# KiCad board aquarius-plus.kicad_pcb (continued)
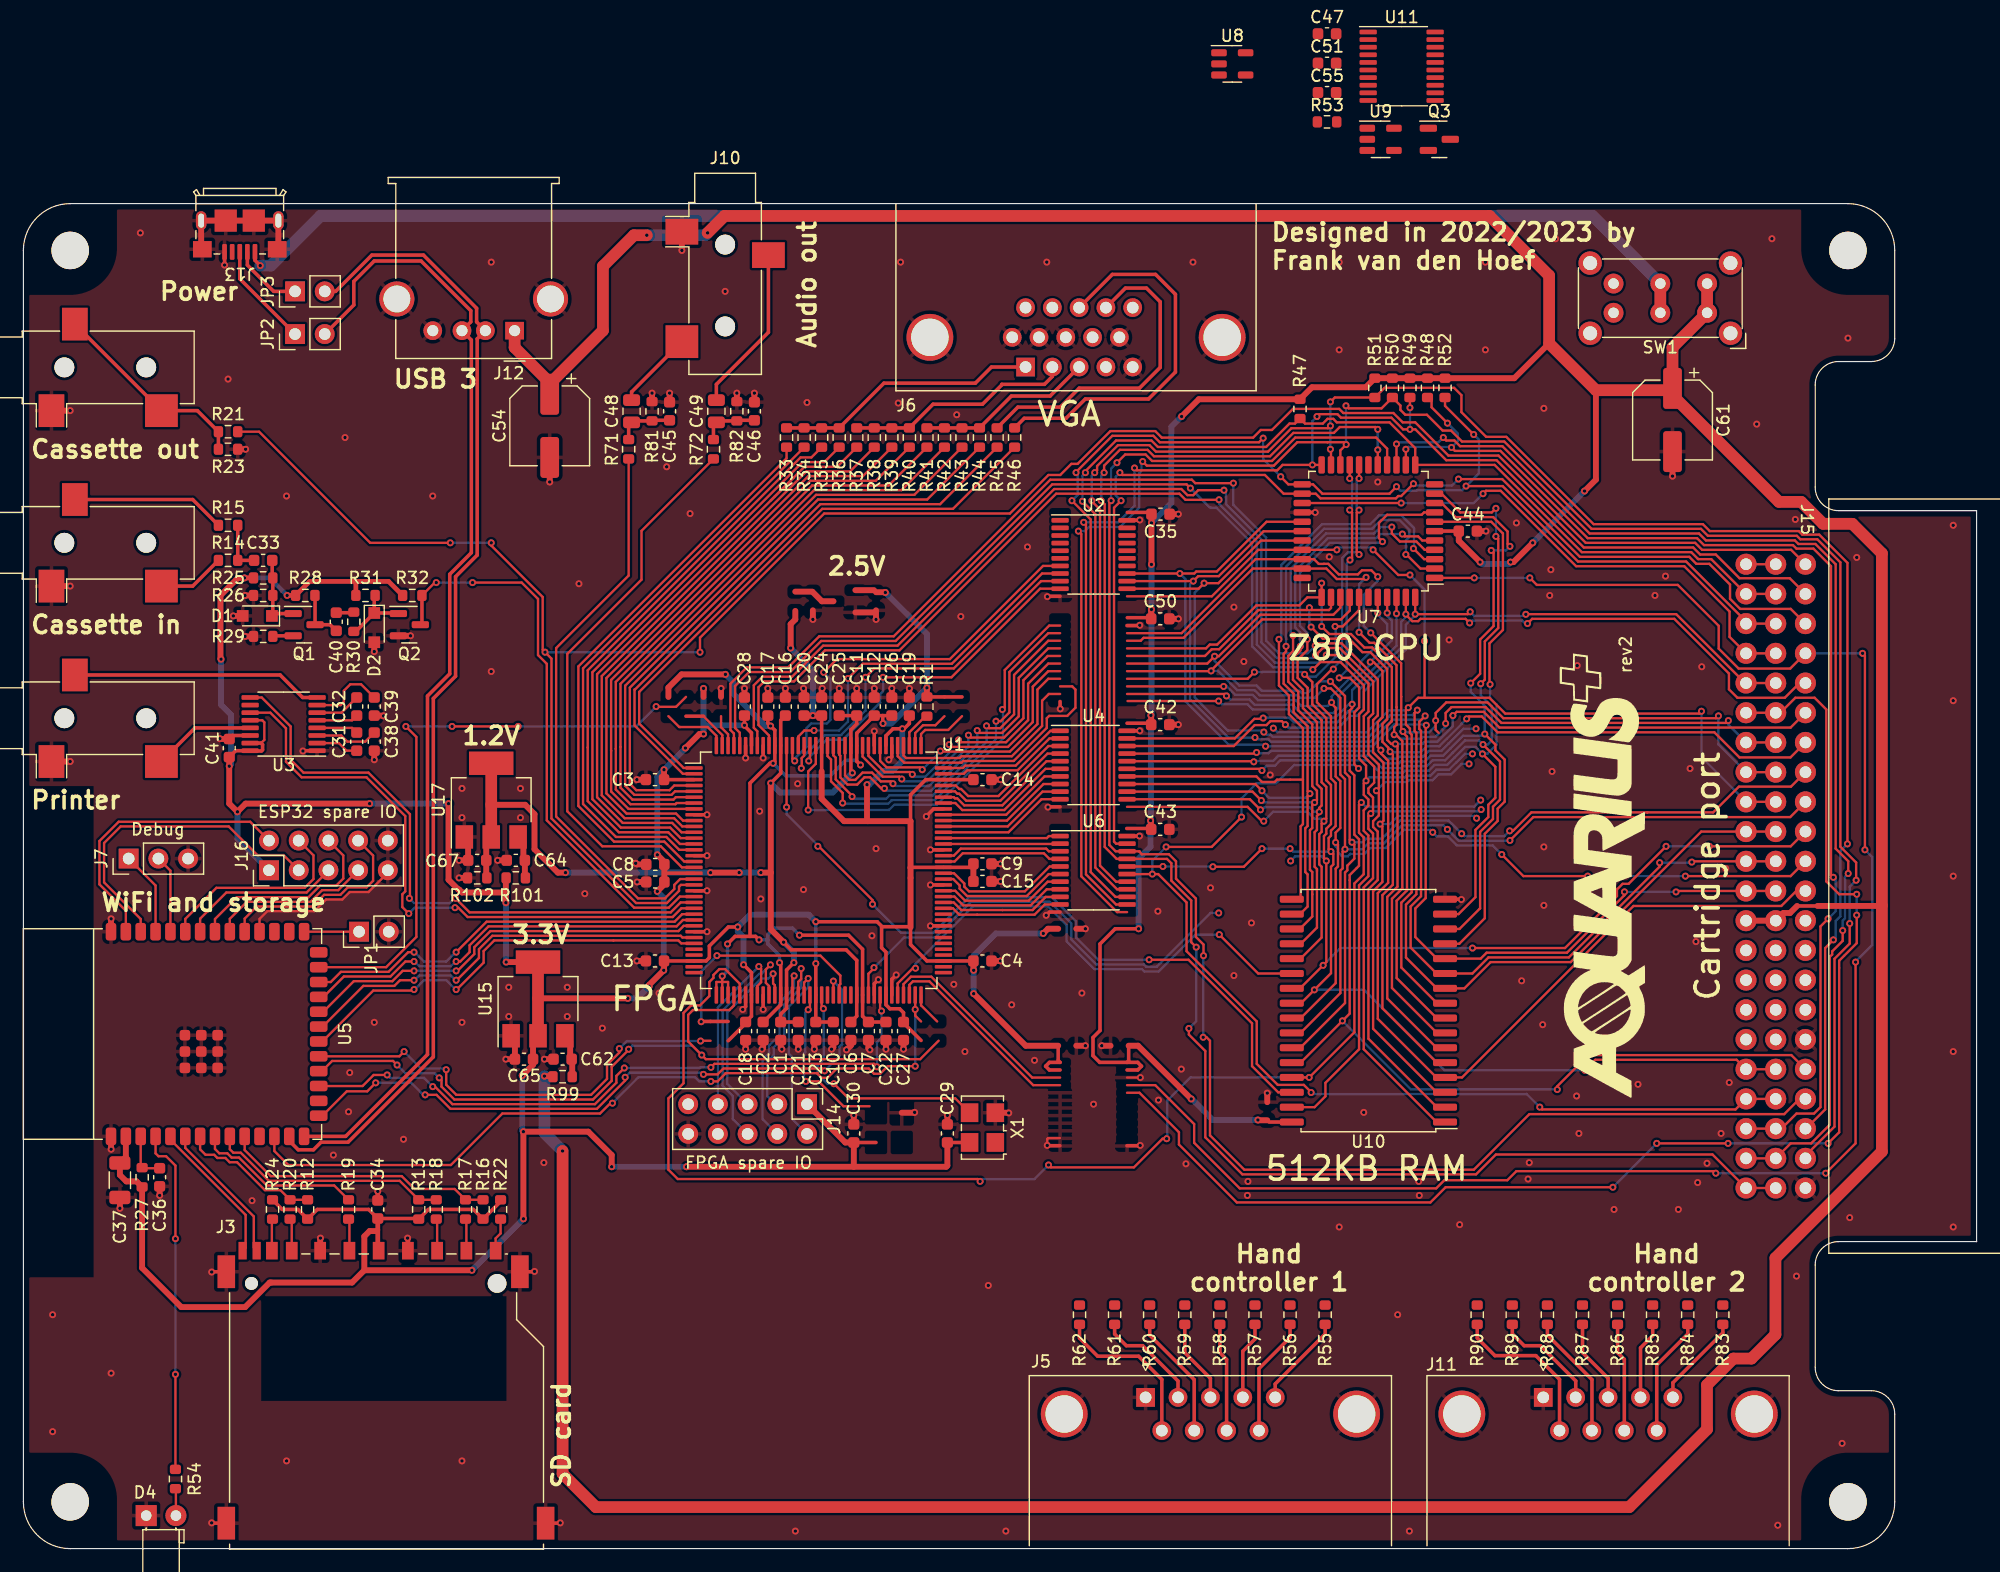
[diagram p0: board, top side]
## Footprints (pads in the part's own frame, mm; a bottom-side part is the same pattern mirrored in y, then rotated) (continued)
TSSOP-16_4.4x5mm_P0.65mm
  rrect 1.475x0.4 smd: 1(-2.862,2.275) 2(-2.862,1.625) 3(-2.862,0.975) 4(-2.862,0.325) 5(-2.862,-0.325) 6(-2.862,-0.975) 7(-2.862,-1.625) 8(-2.862,-2.275) 9(2.862,-2.275) 10(2.862,-1.625) 11(2.862,-0.975) 12(2.862,-0.325) 13(2.862,0.325) 14(2.862,0.975) 15(2.862,1.625) 16(2.862,2.275)
TSSOP-20_4.4x6.5mm_P0.65mm
  rrect 1.475x0.4 smd: 1(-2.862,2.925) 2(-2.862,2.275) 3(-2.862,1.625) 4(-2.862,0.975) 5(-2.862,0.325) 6(-2.862,-0.325) 7(-2.862,-0.975) 8(-2.862,-1.625) 9(-2.862,-2.275) 10(-2.862,-2.925) 11(2.862,-2.925) 12(2.862,-2.275) 13(2.862,-1.625) 14(2.862,-0.975) 15(2.862,-0.325) 16(2.862,0.325) 17(2.862,0.975) 18(2.862,1.625) 19(2.862,2.275) 20(2.862,2.925)
USB_A_Molex_67643_Horizontal
  rect 1.6x1.5 hole 0.95: 1(0,0)
  round 1.6 hole 0.95: 2(2.5,0) 3(4.5,0) 4(7,0)
  round 3 hole 2.3: 5(-3.07,-2.71) 5(10.07,-2.71)

## Nets
+1V2: C1.1 C6.1 C11.1 C16.1 C21.1 C25.1 C30.1 C67.1 R102.2 U1.19 U1.28 U1.52 U1.89 U1.128 U17.2
+3V3: C2.1 C3.1 C4.1 C5.1 C7.1 C8.1 C9.1 C10.1 C12.1 C13.1 C14.1 C15.1 C17.1 C18.1 C19.1 C20.1 C22.1 C23.1 C24.1 C26.1 C27.1 C28.1 C29.1 C34.1 C35.1 C37.1 C41.1 C42.1 C43.1 C47.1 C65.1 J3.4 J14.1 J16.1 R1.2 R12.2 R13.2 R16.2 R22.2 R24.2 R25.2 R27.1 R28.2 R31.2 R32.2 R101.1 U1.4 U1.18 U1.20 U1.31 U1.36 U1.42 U1.53 U1.60 U1.63 U1.69 U1.76 U1.86 U1.90 U1.103 U1.122 U1.125 U1.129 U1.135 U2.20 U3.12 U3.15 U3.16 U4.20 U5.2 U6.20 U11.20 U15.2 X1.4
+5V: C44.1 C50.1 C51.1 C54.1 C55.1 C61.1 J12.1 J15.25 R47.1 R48.1 R49.1 R50.1 R51.1 R52.1 R99.1 SW1.1 SW1.4 U7.6 U8.5 U9.5 U10.32
GND: C1.2 C2.2 C3.2 C4.2 C5.2 C6.2 C7.2 C8.2 C9.2 C10.2 C11.2 C12.2 C13.2 C14.2 C15.2 C16.2 C17.2 C18.2 C19.2 C20.2 C21.2 C22.2 C23.2 C24.2 C25.2 C26.2 C27.2 C28.2 C29.2 C30.2 C34.2 C35.2 C36.2 C37.2 C38.2 C39.2 C41.2 C42.2 C43.2 C44.2 C45.2 C46.2 C47.2 C50.2 C51.2 C54.2 C55.2 C61.2 C62.2 C64.2 C65.2 C67.2 D1.2 D2.2 D4.1 J1.S J2.S J3.3 J3.6 J3.12 J4.S J5.0 J5.1 J6.0 J6.5 J6.6 J6.7 J6.8 J6.10 J7.3 J10.S J11.0 J11.1 J12.4 J12.5 J13.5 J13.6 J14.10 J15.34 J15.44 J16.9 J16.10 JP1.2 Q2.2 Q3.2 R23.1 R26.1 R29.1 R81.1 R82.1 R102.1 U1.3 U1.13 U1.25 U1.49 U1.54 U1.68 U1.73 U1.77 U1.91 U1.96 U1.108 U1.113 U1.130 U1.136 U2.10 U2.19 U3.1 U3.14 U4.10 U4.19 U5.1 U5.40 U5.41 U6.10 U6.19 U7.26 U8.1 U8.3 U9.1 U9.3 U10.16 U11.10 U11.19 U15.1 U17.1 X1.2
VBUS: J13.1 SW1.2 SW1.5
A0: J15.23 U7.27 U10.12 U11.18
A1: J15.21 U7.28 U10.11 U11.17
A2: J15.19 U7.29 U10.10 U11.16
A3: J15.17 U7.30 U10.9 U11.15
A4: J15.15 U7.31 U10.8 U11.14
A5: J15.13 U7.32 U10.7 U11.13
A6: J15.12 U7.34 U10.6 U11.12
A7: J15.14 U7.35 U10.5 U11.11
A8: J15.16 U2.18 U7.36 U10.27
A9: J15.18 U2.17 U7.37 U10.26
A10: J15.20 U2.16 U7.38 U10.23
A11: J15.22 U2.15 U7.40 U10.25
A12: J15.24 U2.14 U7.41 U10.4
A13: J15.36 U2.13 U7.42 U10.28
A14: J15.10 U2.12 U7.43
A15: J15.9 U2.11 U7.44
AUDIO_L: R71.1 U1.22
AUDIO_R: R72.1 U1.21
BA14: U1.143 U10.3
BA15: U1.142 U10.31
BA16: U1.141 U10.2
BA17: U1.140 U10.1
BA18: U1.139 U10.30
BUSACK#: J15.42 R50.2 U6.11 U7.20
BUSREQ#: J15.4 R49.2 U6.12 U7.22
CART_CE#: J15.11 U9.4
CASSETTE_IN: Q2.3 R32.1 U1.24
CASSETTE_OUT: J15.2 R21.1 U1.23
D0: J15.26 U4.18 U7.9 U10.13
D1: J15.27 U4.17 U7.10 U10.14
D2: J15.28 U4.16 U7.7 U10.15
D3: J15.29 U4.15 U7.3 U10.17
D4: J15.30 U4.14 U7.2 U10.18
D5: J15.31 U4.13 U7.4 U10.19
D6: J15.32 U4.12 U7.5 U10.20
D7: J15.33 U4.11 U7.8 U10.21
ESP_CTS: U1.29 U5.24
ESP_EXP0: J16.2 U5.39
ESP_EXP1: J16.3 U5.38
ESP_EXP2: J16.4 U5.35
ESP_EXP3: J16.5 U5.34
ESP_EXP4: J16.6 U5.33
ESP_EXP5: J16.7 U5.32
ESP_EXP6: J16.8 U5.31
ESP_EXP7: U5.30
ESP_NOTIFY: U1.34 U5.20
ESP_RTS: U1.32 U5.22
ESP_RX: U1.30 U5.23
ESP_TX: U1.33 U5.21
ESP_USB_DM: J12.2 JP3.2 U5.13
ESP_USB_DP: J12.3 JP2.2 U5.14
FPGA_A0: U1.138 U11.2
FPGA_A1: U1.137 U11.3
FPGA_A2: U1.134 U11.4
FPGA_A3: U1.133 U11.5
FPGA_A4: U1.132 U11.6
FPGA_A5: U1.131 U11.7
FPGA_A6: U1.127 U11.8
FPGA_A7: U1.126 U11.9
FPGA_A8: U1.124 U2.2
FPGA_A9: U1.123 U2.3
FPGA_A10: U1.121 U2.4
FPGA_A11: U1.120 U2.5
FPGA_A12: U1.119 U2.6
FPGA_A13: U1.118 U2.7
FPGA_A14: U1.117 U2.8
FPGA_A15: U1.116 U2.9
FPGA_BUSACK#: U1.92 U6.9
FPGA_BUSREQ#: U1.93 U6.8
FPGA_CART_CE#: U1.88 U9.2
FPGA_D0: U1.115 U4.2
FPGA_D1: U1.114 U4.3
FPGA_D2: U1.112 U4.4
FPGA_D3: U1.111 U4.5
FPGA_D4: U1.105 U4.6
FPGA_D5: U1.104 U4.7
FPGA_D6: U1.102 U4.8
FPGA_D7: U1.101 U4.9
FPGA_DONE: U1.71 U5.12
FPGA_EXP0: J14.2
FPGA_EXP1: J14.3
FPGA_EXP2: J14.4
FPGA_EXP3: J14.5
FPGA_EXP4: J14.6
FPGA_EXP5: J14.7
FPGA_EXP6: J14.8
FPGA_INT#: U1.95 U6.6
FPGA_IORQ#: U1.99 U6.3
FPGA_MREQ#: U1.100 U6.2
FPGA_PHI: U1.87 U8.2
FPGA_PROG#: U1.37 U5.25
FPGA_RD#: U1.98 U6.4
FPGA_RESET#: U1.94 U6.7
FPGA_WR#: U1.97 U6.5
HALT#: J15.41 U7.14
HC1_D00: R62.2
HC1_D01: R60.2
HC1_D02: R58.2
HC1_D03: R56.2
HC1_D04: R55.2
HC1_D05: R57.2
HC1_D06: R59.2
HC1_D07: R61.2
HC2_D00: R90.2
HC2_D01: R88.2
HC2_D02: R86.2
HC2_D03: R84.2
HC2_D04: R83.2
HC2_D05: R85.2
HC2_D06: R87.2
HC2_D07: R89.2
INT#: J15.3 R47.2 U6.14 U7.12
IORQ#: J15.43 U6.17 U7.16
M1#: J15.6 U7.24
MREQ#: J15.38 U6.18 U7.15
NMI#: J15.39 R48.2 U7.13
PHI: J15.8 U7.1 U8.4
PRINTER_IN: U1.26 U3.9
PRINTER_OUT: U1.27 U3.11
RAM_CE#: U1.85 U10.22
RAM_WE#: U1.83 U10.29
RD#: J15.35 U6.16 U7.18 U10.24
RESET#: J15.5 R52.2 U6.13 U7.23
RFSH#: J15.7 U7.25
SD_ACTIVITY: R54.1 U5.4
SD_CD: Q3.3 U5.6
SD_MISO: R12.1 R20.1 U5.7
SD_MOSI: R13.1 R18.1 U5.9
SD_SCK: R19.1 U5.8
SD_SSEL#: R16.1 R17.1 U5.10
SD_WP#: J3.11 U5.5
SPI_CS#: U1.74 U5.19
SPI_MISO: U1.39 U5.15
SPI_MOSI: U1.65 U5.17
SPI_SCLK: R53.1 U5.18
SYSCLK: U1.84 X1.3
VGA_B0: R44.1 U1.5
VGA_B1: R43.1 U1.6
VGA_B2: R42.1 U1.7
VGA_B3: R41.1 U1.8
VGA_G0: R40.1 U1.9
VGA_G1: R39.1 U1.10
VGA_G2: R38.1 U1.11
VGA_G3: R37.1 U1.12
VGA_HSYNC: R46.1 U1.1
VGA_R0: R36.1 U1.14
VGA_R1: R35.1 U1.15
VGA_R2: R34.1 U1.16
VGA_R3: R33.1 U1.17
VGA_VSYNC: R45.1 U1.2
WAIT#: J15.40 R51.2 U7.21
WR#: J15.37 U6.15 U7.19
Net-(C33-Pad1): C33.1 R14.2 R15.2
Net-(C40-Pad2): C40.2 R30.1
Net-(C45-Pad1): C45.1 C48.1 R71.2 R81.2
Net-(C46-Pad1): C46.1 C49.1 R72.2 R82.2
Net-(C48-Pad2): C48.2 J10.T
Net-(C49-Pad2): C49.2 J10.R
Net-(D1-K): C33.2 D1.1 Q1.1 R25.1 R26.2
Net-(D2-K): D2.1 Q2.1 R30.2 R31.1
Net-(D4-A): D4.2 R54.2
Net-(J1-PadR): J1.R R15.1
Net-(J1-PadT): J1.T R14.1
Net-(J2-PadR): J2.R J2.T R21.2 R23.2
Net-(J3-CARD_DETECT): J3.10 Q3.1 R1.1
Net-(J3-CD/DAT3): J3.1 R17.2
Net-(J3-CLK): J3.5 R19.2
Net-(J3-CMD): J3.2 R18.2
Net-(J3-DAT0): J3.7 R20.2
Net-(J3-DAT1): J3.8 R24.1
Net-(J3-DAT2): J3.9 R22.1
Net-(J5-Pad2): J5.2 R61.1
Net-(J5-Pad3): J5.3 R59.1
Net-(J5-Pad4): J5.4 R57.1
Net-(J5-Pad5): J5.5 R55.1
Net-(J5-Pad6): J5.6 R62.1
Net-(J5-Pad7): J5.7 R60.1
Net-(J5-Pad8): J5.8 R58.1
Net-(J5-Pad9): J5.9 R56.1
Net-(J6-Pad1): J6.1 R33.2 R34.2 R35.2 R36.2
Net-(J6-Pad2): J6.2 R37.2 R38.2 R39.2 R40.2
Net-(J6-Pad3): J6.3 R41.2 R42.2 R43.2 R44.2
Net-(J6-Pad13): J6.13 R46.2
Net-(J6-Pad14): J6.14 R45.2
Net-(J7-Pin_1): J7.1 U5.37
Net-(J7-Pin_2): J7.2 U5.36
Net-(J11-Pad2): J11.2 R89.1
Net-(J11-Pad3): J11.3 R87.1
Net-(J11-Pad4): J11.4 R85.1
Net-(J11-Pad5): J11.5 R83.1
Net-(J11-Pad6): J11.6 R90.1
Net-(J11-Pad7): J11.7 R88.1
Net-(J11-Pad8): J11.8 R86.1
Net-(J11-Pad9): J11.9 R84.1
Net-(J13-D+): J13.3 JP2.1
Net-(J13-D-): J13.2 JP3.1
Net-(JP1-A): JP1.1 U5.27
Net-(Q1-C): C40.1 Q1.3 R28.1
Net-(Q1-E): Q1.2 R29.2
Net-(U1-B2_IO_CCLK): R53.2 U1.70
Net-(U3-C1+): C31.1 U3.2
Net-(U3-C1-): C31.2 U3.4
Net-(U3-C2+): C32.1 U3.5
Net-(U3-C2-): C32.2 U3.6
Net-(U3-DOUT): J4.T U3.13
Net-(U3-RIN): J4.R U3.8
Net-(U3-V+): C38.1 U3.3
Net-(U3-V-): C39.1 U3.7
Net-(U5-EN): C36.1 R27.2 U5.3
Net-(U15-VI): C62.1 R99.2 U15.3
Net-(U17-VI): C64.1 R101.2 U17.3

Pads without a net: J6 4 9 11 12 15; J13 4; J14 9; J15 1; SW1 3 6; U1 35 38 40 41 43 44 45 46 47 48 50 51 55 56 57 58 59 61 62 64 66 67 72 75 78 79 80 81 82 106 107 109 110 144; U2 1; U3 10; U4 1; U5 11 16 26 28 29; U6 1; U7 11 17 33 39; U11 1; X1 1

## Via types
v1: diameter 0.6, hole 0.3, Top to Bottom, 626 vias

## Routing (per net, layer and track width the routed paths; a pad name or vN(x,y) marks a point on that pad's centre or on a via; arc(x,y) is an arc through that point)
+1V2: length 93.9
  Top w0.3: v1(65.88,50.1) 65.25,49.47 65.25,47.34 65.25,46.2 64.75,45.7 C1.1 C21.1 ; C6.1 71.25,45.53 71.25,47.34 71.25,50.3 70.35,51.2 65.65,51.2 v1(65,51.85) ; v1(63.9,65.45) 64.75,66.3 64.75,68.66 64.75,70.83 C16.1 ; v1(70.88,66.33) 70.75,66.45 70.75,68.66 70.75,70.03 71.25,70.53 C11.1 C25.1
  Top w0.5: 39.58,57.4 C67.1 39.58,60.42 ; v1(46.35,57.8) 45.7,57.8 43.7,59.8 43.7,62.8 42.9,63.6 40,63.6 ; v1(65,51.85) 63.9,52.95 63.9,57.8 ; v1(61.2,57.8) v1(58.75,57.8) ; 63.9,57.8 v1(63.05,57.8) ; 63.9,57.8 v1(63.9,65.45)
  Top w1: U17.2 U17.2
  Bottom w0.5: v1(65,51.85) 65.88,50.97 v1(65.88,50.1) ; v1(70.88,66.33) 69.2,64.65 64.7,64.65 v1(63.9,65.45) ; v1(63.05,57.8) v1(61.2,57.8) ; v1(46.35,57.8) v1(58.75,57.8)
+3V3: length 590.2
  Top w0.2: v1(67.1,46.08) 67.25,46.22 U1.53 ; U1.63 72.25,49.15 72.73,49.63 v1(72.73,49.67) ; 88.64,78.28 87.62,78.28 84.3,74.95 84.3,71.5 83.55,70.75 v1(83.16,70.75) ; U3.12 20.42,70.83 20.6,70.65 20.6,69.15 20.33,68.88 ; U1.69 75.25,48.27 75.88,48.9 77.63,48.9 86.26,40.28 88.64,40.28 ; v1(74.35,65.4) 74.15,65.6 73.31,65.6 72.56,66.35 71.75,66.35 71.12,65.73 70.63,65.73 70.25,66.1 U1.122 ; 72.34,37.83 70.11,37.83 67.99,39.95 v1(66.9,39.95) ; 88.64,76.33 87.57,76.33 85.5,74.25 85.5,71 83.85,69.35 81,69.35 v1(80.8,69.55) ; v1(70.05,63.75) 70.05,64.61 69.05,65.61 69.05,67.46 68.75,67.77 U1.125
  Top w0.3: 88.47,43 88.47,41.74 88.64,41.58 87.72,41.58 87.4,41.25 87.72,40.92 88.64,40.92 ; C41.1 18.15,68.22 U3.16 ; 73.43,53.17 73.38,53.12 73.38,51.38 73.75,51 73.75,47.34 73.75,46.5 74.09,46.16 74.91,46.16 75.25,45.83 C27.1 ; 73.43,53.17 75.8,53.17 75.85,53.12 75.85,51.65 77.25,50.25 78.66,50.25 C4.1 ; 73.43,53.17 73,53.6 v1(67.75,53.6) ; 54.78,57.75 57.34,57.75 ; v1(95.43,60.93) 94.34,60.93 ; 33.75,28.22 C34.1 29.53,29 25.12,29 R12.2 23.47,29 22.12,29 R24.2 ; 81.22,58.25 78.66,58.25 75.88,58.25 ; v1(61.58,49.92) 62.25,49.25 62.25,47.34 62.25,45.53 C18.1 ; v1(61.08,53.15) 60.28,53.15 58.65,51.53 58.65,50.53 58.38,50.25 57.34,50.25 C13.1 ; 62.25,68.66 62.25,69.75 61.65,70.35 v1(61.65,70.4) C28.1 ; U1.42 61.75,46.35 v1(61.5,46.1) ; v1(95.45,69.93) 94.36,69.93 ; R13.2 34.62,29 38.47,29 R16.2 40.8,29.67 ; C14.1 78.66,65.75 77.15,65.75 75.85,64.45 75.85,62.2 ; U3.15 20.33,68.88 20.45,68.75 20.45,68.3 20.35,68.2 19.41,68.2 ; C29.1 80.9,34.72 ; 68.25,66.45 68.25,68.66 C24.1 ; C19.1 75.75,70.55 75.3,70.1 v1(75.15,70.1) 74.35,70.1 73.75,69.5 73.75,68.66 ; 60.26,43.42 61.75,44.91 ; v1(95.45,87.95) 95.43,87.92 U2.20 ; C10.1 C23.1 67.75,47.34 v1(67.75,50.03) ; 76.75,43.45 75.25,44.95 ; C3.1 57.34,65.75 ; 71,34.72 72.9,34.72
  Top w0.4: 28.3,82.7 24.47,82.7 23.28,81.5 v1(22.55,81.5) ; 28.3,82.7 28.42,82.58 R31.2 ; 28.3,82.7 31.22,82.7 R32.2 ; 30.3,27.25 30.2,27.15 ; 30.3,27.25 C34.1 ; 30.3,27.25 30.3,25.55 ; v1(18.9,83) R25.2
  Top w0.5: 75.85,58.22 75.85,62.2 72.2,62.2 ; 75.85,58.22 75.88,58.25 ; 75.85,58.22 75.85,53.12 ; J14.1 70.28,34.72 71,34.72 71,32.65 ; 41.25,56.15 41.2,56.1 37.51,56.1 37.26,56.35 37.19,56.35 36.35,57.19 v1(36.35,63.7) ; 41.25,56.15 v1(41.25,55.22) ; 41.25,56.15 41.25,57.33 ; 29.15,23.8 29.15,26.7 29.6,27.15 30.2,27.15 ; 29.15,23.8 v1(38.35,23.8) ; 29.15,23.8 28.1,22.75 21.06,22.75 18.96,20.65 13.5,20.65 10.15,24 R27.1 9.67,31.4 8.8,31.4 8.25,31.95 C37.1 8.76,33.48 U5.2 ; 54.8,58.72 v1(54.2,59.33) ; C13.1 54.78,49.47 v1(54.75,49.45) 53.5,48.2 v1(53.5,48.08) ; C4.1 81.22,49.47 v1(81.25,49.45) ; 72.2,62.2 70.17,62.2 68.25,64.12 68.25,66.45 ; 72.2,62.2 72.13,62.27 v1(72.13,65.32) ; 88.47,53 87.6,53 v1(87.2,52.6) ; v1(29.6,63.7) 19,63.7 v1(18.3,63) 17.6,63.7 v1(17.6,66.9) C41.1 ; 71,32.65 v1(56.7,32.65) ; 71,32.65 78.9,32.65 79,32.75 C29.1 ; v1(56.6,68.45) 57.8,69.65 v1(58.15,69.65) ; 44,47.05 v1(51.67,47.05) ; C5.1 C8.1 ; 43.58,43.42 C65.1 43.58,41.38 v1(42.65,40.45) ; v1(42.75,28.2) v1(42.75,35.65) 48.3,35.65 50.3,33.65 v1(50.3,32.65) ; C20.1 v1(67.5,71.22) C24.1 ; U15.2 v1(41.28,50.15) ; v1(54.2,56.2) 54.8,56.8 ; v1(18.9,83) 18.35,83 16.85,81.5 16.85,76.1 v1(16.9,76.05) ; C9.1 C15.1 ; v1(65.6,77) 65.6,79.05 66,79.45 66,80.17 ; v1(81.25,47.45) 85.7,43 88.47,43 ; 58.15,72.83 v1(58.15,73.55) ; v1(54.78,66.6) C3.1
  Top w1: U15.2 U15.2
  Bottom w0.2: v1(80.8,69.55) 80.8,68.57 77.43,65.2 74.55,65.2 v1(74.35,65.4) ; v1(72.73,49.67) 75.3,52.25 77.97,52.25 81.02,55.3 87.76,55.3 89.59,53.47 89.59,52.09 91.74,49.95 95.8,49.95 96,49.75 96.9,49.75 101.5,54.35 v1(102.2,54.35) ; v1(83.16,70.75) 83.16,69.23 77.93,64 74.25,64 73.95,63.7 70.1,63.7 v1(70.05,63.75) ; v1(66.9,39.95) 66.75,40.1 66.75,42.35 66.85,42.45 66.85,45.82 v1(67.1,46.08)
  Bottom w0.3: v1(67.75,50.03) v1(67.75,53.6)
  Bottom w0.4: v1(18.9,83) 21.05,83 v1(22.55,81.5)
  Bottom w0.5: v1(58.15,73.55) 58.15,70.25 ; 58.15,70.25 v1(58.15,69.65) ; 58.15,70.25 58.3,70.4 v1(61.65,70.4) ; v1(17.6,66.9) 17.75,67.05 17.75,71.3 16.9,72.15 v1(16.9,76.05) ; v1(42.75,35.65) 42.65,35.75 v1(42.65,40.45) ; v1(38.35,23.8) v1(42.75,28.2) ; v1(54.2,59.33) 54.2,66.03 v1(54.78,66.6) 56.6,68.42 v1(56.6,68.45) ; v1(36.35,63.7) v1(29.6,63.7) ; v1(75.15,70.1) 75.15,67.35 74.3,66.5 73.5,66.5 72.32,65.32 v1(72.13,65.32) ; v1(41.25,55.22) 41.28,55.2 v1(41.28,50.15) ; v1(81.25,47.45) v1(81.25,49.45) 81.25,50.7 83.15,52.6 v1(87.2,52.6) ; v1(61.58,49.92) 61.58,52.28 61.08,52.78 v1(61.08,53.15) 62.12,54.2 67.15,54.2 v1(67.75,53.6) ; v1(54.75,49.45) 54.75,55.65 v1(54.2,56.2) ; v1(51.67,47.05) 52.47,47.05 v1(53.5,48.08) ; v1(56.7,32.65) v1(50.3,32.65) ; v1(18.3,63) 18.3,60.7 J16.1 ; v1(65.6,77) 67.5,75.1 v1(67.5,71.22)
+5V: length 539.4
  Top w0.3: U10.32 106.5,36.47 ; 94.34,61.58 96.28,61.58 ; 94.36,41.58 95.28,41.58 95.6,41.25 95.28,40.92 94.36,40.92 ; 94.36,41.58 92.03,41.58 91.45,42.15 91.45,43.7 92.05,44.3 92.05,51.7 93.35,53 v1(95.35,53) ; 94.36,41.58 94.5,41.71 94.5,43 ; 151.65,54.95 153.4,54.95 ; U7.6 C44.1 ; 94.39,88.6 96.3,88.6 ; 94.36,70.58 96.3,70.58 ; 94.39,79.6 96.33,79.6
  Top w0.5: v1(96.38,62.25) 96.4,62.22 96.4,61.45 ; 130.45,103.05 127.47,100.08 R52.1 R48.1 R49.1 R51.1 114.78,99.3 110.18,99.3 R47.1 100.5,98.28 v1(99.03,96.8) ; 106.35,36.62 105.57,36.62 v1(105.55,36.65) ; v1(124.55,84.35) 122.72,86.17 C44.1 ; C50.1 96.43,80.28 v1(96.45,80.3) ; 94.5,43 95.3,43 v1(99.85,38.45) ; v1(96.4,71.25) 96.43,71.22 96.43,70.45 ; v1(127.15,84.35) 127.4,84.35 v1(129.05,86) ; 153.4,54.95 158.85,54.95 158.9,55 ; J15.25 149.82,53.69 150.49,54.35 151.05,54.35 151.65,54.95 ; 45.28,40.4 v1(44.55,40.4) ; v1(133.47,90.42) 134.45,91.4 134.45,99.05 ; 96.45,88.45 v1(96.45,87.7) v1(96.45,84.15)
  Top w1: v1(58.5,112.5) 59.95,113.95 125.35,113.95 130.45,108.85 130.45,103.05 134.45,99.05 140.55,99.05 150.1,89.5 152,89.5 153.88,87.62 156.38,87.62 158.9,85.1 158.9,33.95 149.8,24.85 149.8,18.3 147.75,16.25 146.2,16.25 143.95,14 143.95,10.2 137.3,3.55 48.95,3.55 46.1,6.4 v1(46.1,34) ; SW1.4 SW1.1 141,102.71 C61.1 ; J12.1 42,102.7 45,99.7 ; 45,99.6 49.55,104.15 49.55,109.65 52.2,112.3 v1(53.3,112.3)
  Bottom w0.5: v1(99.03,96.8) 98.15,95.92 98.15,89.4 v1(96.45,87.7) ; v1(96.45,84.15) v1(96.45,80.3) 96.45,71.3 v1(96.4,71.25) 96.4,62.28 v1(96.38,62.25) 96.38,60.03 95.35,59 v1(95.35,53) ; v1(127.15,84.35) 127,84.2 124.7,84.2 v1(124.55,84.35) ; v1(99.85,38.45) 99.9,38.45 101.7,36.65 v1(105.55,36.65) ; v1(129.05,86) v1(133.47,90.42)
  Bottom w1: v1(46.1,34) 44.55,35.55 v1(44.55,40.4) ; v1(58.5,112.5) 58.3,112.3 v1(53.3,112.3)
GND: length 162.2
  Top w0.2: 94.36,40.28 v1(95.5,40.28) ; 88.62,35.1 87.61,35.1 87.54,35.03 v1(87.54,34.47) ; 88.64,73.72 89.68,73.72 89.95,73.45 89.95,71.9 89.25,71.2 87.7,71.2 87.5,71 87.5,70.18 84.67,67.35 80.37,67.35 80.22,67.2 75.3,67.2 74.75,67.75 U1.113 ; 20.19,52.75 20.19,53.84 20.85,54.5 24.88,54.5 25.88,55.5 27.27,55.5 27.91,56.14 29.51,56.14 31.16,57.79 ; U1.96 87.5,60.75 87.68,60.92 88.64,60.92 ; U1.108 80.33,66.75 80.53,66.95 84.84,66.95 87.81,69.92 88.64,69.92
  Top w0.3: J3.12 45.88,2.18 v1(45.9,2.2) ; 88.64,54.42 87.72,54.42 v1(87.45,54.15) ; v1(87.54,34.47) 87.56,34.45 88.62,34.45 ; v1(87.6,63.4) 87.62,63.42 88.64,63.42 ; J3.12 16.12,23.67 v1(16.1,23.65) ; U10.16 122.93,55.53 v1(122.95,55.5) ; U1.136 v1(63.25,67.6) ; J3.12 16.12,2.18 v1(16.1,2.2) ; v1(95.49,34.47) 95.46,34.45 94.35,34.45 ; v1(88.65,71.8) 88.64,71.81 88.64,72.42 ; v1(43.7,23.7) 43.67,23.67 J3.12 ; U7.26 v1(110.45,88.6) ; 94.36,78.92 95.43,78.92 v1(95.45,78.95) ; v1(23.9,68.2) 23.92,68.22 U3.1 ; 17.6,69.22 17.9,69.53 U3.14 ; 88.64,81.42 87.57,81.42 v1(87.55,81.4) ; J13.5 v1(17.2,109.75)
  Top w0.4: J3.3 32.88,26.53 v1(32.85,26.55) ; C34.2 v1(30.3,30.55)
  Top w0.5: C61.2 v1(141,91.7) ; J3.6 25.38,26.53 v1(25.4,26.55) ; v1(72.38,42.65) 72.25,42.78 C7.2 ; U5.1 7.49,34.16 v1(7.5,34.15) ; Q2.2 v1(33.1,78.05) ; C9.2 v1(83.55,58.55) ; v1(69.1,42.7) 69.25,42.85 C10.2 ; 21.8,111.2 J13.6 J13.6 15.2,111.2 ; 90.03,53 v1(90.8,53) ; D1.2 v1(17.95,79.75) ; C8.2 52.45,58.5 v1(52.35,58.6) ; C24.2 68.25,73.5 v1(68.3,73.55) ; X1.2 84.23,37.27 v1(84.25,37.25) ; C4.2 v1(83.55,50.25) ; J2.S v1(4,97.3) ; v1(16.8,69.25) 16.83,69.22 17.6,69.22 ; C64.2 v1(40.55,58.85) ; C36.2 v1(11.65,30.2) ; J4.S v1(4,67.3) ; C21.2 v1(66.25,42.7) ; C11.2 v1(71.25,73.55) ; v1(7.5,53.85) 7.49,53.84 U5.40 ; C44.2 v1(125.05,87) ; C37.2 v1(8.25,29.1) ; C27.2 v1(75.25,42.7) ; 42.03,43.53 C65.2 v1(41.25,41.85) ; C38.2 v1(30,67.45) ; v1(64.85,42.7) 64.75,42.8 C1.2 ; C12.2 v1(72.75,73.55) ; R102.1 v1(37.25,57.35) ; 72.9,80.22 v1(72.9,79.45) ; 67.5,80.22 v1(67.5,79.45) ; 75.1,37.27 76.17,37.27 v1(76.2,37.3) ; C25.2 v1(69.75,73.55) ; R82.1 v1(61,98.8) ; C2.2 63.25,42.8 v1(63.15,42.7) ; 106.35,38.17 v1(106.35,38.95) ; C20.2 66.75,73.5 v1(66.7,73.55) ; C39.2 30.78,71.22 v1(30.8,71.2) ; C42.2 v1(98.75,70.45) ; v1(37.25,58.85) C67.2 38.03,60.53 ; C45.2 v1(55.25,98.8) ; R26.1 v1(18.95,81.5) ; R81.1 v1(53.75,98.8) ; C46.2 v1(62.5,98.8) ; C22.2 v1(73.75,42.7) ; C29.2 v1(79,37.05) ; C50.2 v1(98.75,79.5) ; C62.2 v1(44.55,41.85) ; C15.2 v1(83.55,57.05) ; 71.14,80.05 72.72,80.05 ; J1.S v1(4,82.3) ; v1(65.15,73.55) C16.2 ; C19.2 v1(75.75,73.55) ; C35.2 v1(98.75,88.45) ; C13.2 v1(52.45,50.25) ; R23.1 v1(19,94) ; v1(61.65,73.55) C28.2 ; C6.2 70.75,43.02 v1(70.38,42.65) ; C5.2 v1(52.47,57) ; 59.65,72.83 v1(59.65,73.55) ; C26.2 v1(74.25,73.55) ; v1(63.65,73.55) C17.2 ; 67.62,43.47 v1(67.62,42.7) ; 90.03,43 v1(90.8,43) ; C18.2 v1(61.75,42.7) ; 92.95,43 v1(92.2,43) ; D2.2 v1(30,76.7) ; C14.2 v1(83.55,65.75) ; C3.2 v1(52.45,65.75) ; C30.2 v1(71,37.05) ; J10.S v1(56.3,111) ; C54.2 v1(45,91.2) ; R29.1 v1(18.95,78)
  vias: v1(2.5,20) v1(2.5,10) v1(7.5,15) v1(10,112.5) v1(17.5,100) v1(19.55,29.75) v1(22.5,90) v1(22.5,7.5) v1(26.5,33.65) v1(27.5,95) v1(27.8,37.35) v1(27.9,40.7) v1(30,45) v1(32.5,35) v1(35,90) v1(37.5,65) v1(37.5,62.5) v1(37.5,45) v1(37.5,7.5) v1(40,110) v1(40,75) v1(41.5,48) v1(41.5,45.5) v1(42.5,65) v1(42.5,62.5) v1(44.5,33) v1(46.5,48) v1(46.5,45.5) v1(47.5,82.5) v1(48,56) v1(49.5,44.5) v1(54.35,47.5) v1(55,92.5) v1(57,88.5) v1(60,107.5) v1(62.95,63.05) v1(63.05,55.55) v1(66,1.5) v1(66.2,65.4) v1(66.7,56.35) v1(67,98) v1(72.55,52.4) v1(72.9,59.85) v1(74.8,97.95) v1(75,110) v1(79.55,48.25) v1(79.8,96.95) v1(80.15,79.7) v1(80.5,42.5) v1(82.5,22.5) v1(84,1.5) v1(84.5,46.5) v1(85.85,85.65) v1(86.45,41.75) v1(87.5,110) v1(90.5,47.5) v1(91.5,38) v1(97,54.5) v1(97.05,38.35) v1(99,41) v1(99.4,32.9) v1(100,110) v1(101.5,56.5) v1(103.5,80.5) v1(103.5,49) v1(104.35,75.85) v1(104.7,31.4) v1(104.65,30.2) v1(105,53.5) v1(106.6,66.15) v1(111.65,84.8) v1(112.5,110) v1(112.5,102.5) v1(112.5,27.5) v1(114.6,37.3) v1(115.8,91.2) v1(117.5,20) v1(118.5,1.5) v1(119.3,31.4) v1(119.35,30.2) v1(121.9,77.7) v1(122.8,27.7) v1(125,110) v1(125,102.5) v1(127.65,87.7) v1(128.1,48.55) v1(128.65,31.6) v1(128.75,33) v1(129.9,44.8) v1(130,97.5) v1(130,60) v1(130,55) v1(130.5,81.5) v1(130.6,83.7) v1(130.7,66.45) v1(131,112) v1(132.85,75.5) v1(132.8,38.7) v1(133,35.5) v1(136,29) v1(138.05,39.7) v1(139.5,81.5) v1(140.4,83.15) v1(141.5,29) v1(142.5,66.7) v1(143,51.9) v1(143.15,31.3) v1(143.5,75.4) v1(143.95,32.95) v1(145.15,35.5) v1(145.55,58.15) v1(145.85,39.85) v1(148.2,96.15) v1(149.5,112) v1(150,2) v1(151.5,88) v1(151.6,23.3) v1(155.5,9) v1(156,103.5) v1(156.15,28.3) v1(156.75,84.75) v1(165,87.5) v1(165,72.5) v1(165,57.5) v1(165,42.5) v1(165,27.5)
VBUS: length 127.7
  Top w0.3: J13.1 19.8,110.15 v1(20.25,109.7)
  Top w1: SW1.5 SW1.2
  Bottom w1: SW1.5 134.18,113.95 25.4,113.95 21.15,109.7 v1(20.25,109.7)
(no net): length 254.7
  Top w0.2: v1(81.8,31.4) 81.6,31.6 55.95,31.6 55.15,32.4 55.15,38.5 56.44,39.79 56.44,45.81 57.08,46.45 57.85,46.45 58.65,47.25 58.65,48.45 59,48.8 59,49.05 59.5,49.55 60,49.55 61.25,48.3 61.25,47.34 ; 13.84,35.25 13.84,34.26 19.7,28.4 19.7,25.72 ; v1(114.39,63.8) 114.19,63.6 114.19,61.21 114.59,60.81 114.59,57.66 113.8,56.87 113.8,44.15 v1(109.94,40.28) 108.45,40.28 ; 59.75,48.45 60.25,48.45 60.25,47.34 ; 59.75,48.45 59.75,48.95 ; 59.75,48.45 59.75,47.34 ; 59.75,48.45 59.25,48.45 59.25,47.34 ; 78.66,57.25 79.5,57.25 80.05,56.7 80.05,56.43 80.68,55.8 85.79,55.8 87.66,57.67 88.64,57.67 ; v1(97.75,35.05) 97.4,35.05 94.95,32.6 87.85,32.6 v1(87.65,32.8)
  Top w0.3: 64.65,50.1 64.75,50 64.75,47.34 64.75,46.5 63.28,45.03 ; 73.47,71.22 72.75,71.22 71.25,69.73 71.25,68.66 71.25,67.33 71.57,67 ; 73.47,71.22 74.25,71.22 ; 73.47,71.22 73.47,70.58 73.5,70.55 ; 77.25,72.83 80.25,72.83 ; 62.12,52.35 62.6,52.35 62.9,52.05 ; 62.12,52.35 62.12,65.45 63.82,67.15 64.1,67.15 64.25,67.3 64.25,68.66 64.25,69.97 63.65,70.58 63.65,71.22 ; 62.12,52.35 60.85,52.35 60.2,51.7 ; 66.35,52.45 70.55,52.45 71.75,51.25 71.75,47.34 71.75,45.53 72.25,45.03 73.75,45.03
  Top w0.5: 67.5,81.78 68.28,81 69.26,81 ; 73.7,81.75 73.68,81.78 72.9,81.78 ; 60.03,74.75 56.28,74.75 55.15,73.62 55.15,72.83 ; 71.14,81.95 72.72,81.95 ; 77.25,73.6 77.25,72.83 ; 66,81.83 67.45,81.83
  Bottom w0.2: v1(87.65,32.8) 86.45,31.6 82,31.6 v1(81.8,31.4) ; v1(109.94,40.28) 99.78,40.28 97.8,38.3 97.8,35.1 v1(97.75,35.05) ; v1(124.6,64) 124.05,63.45 114.74,63.45 v1(114.39,63.8)
  Bottom w0.3: 60.2,51.7 60.2,49.4 59.75,48.95 ; 63.65,52 63.65,51.7 64.65,50.7 64.65,50.1 ; 63.65,52 63.65,52.5 64.2,53.05 65.75,53.05 66.35,52.45 ; 63.65,52 63.6,52.05 62.9,52.05 ; 64.1,67.15 65.18,66.07 68.97,66.07 70.3,67.4 71.18,67.4 71.57,67
  Bottom w0.5: 60.03,74.75 60.7,74.08 60.7,73.1 63.46,70.34 63.89,70.34 ; 73.7,81.75 77.25,78.2 77.25,73.6 74.2,70.55 73.5,70.55
A0: length 102.9
  Top w0.2: U10.12 124.59,50.44 125.1,50.95 131.97,50.95 136.89,55.87 v1(136.89,56.16) ; v1(119.95,70.4) 119.9,70.35 119.9,55.62 119.01,54.73 119.01,52.29 120.85,50.44 ; U7.27 106.29,87.8 102.04,83.55 100.28,83.55 100.11,83.38 v1(98.88,83.38) 94.36,83.38 ; 149.82,56.23 141.38,56.23 v1(141.3,56.15)
  Bottom w0.2: v1(141.3,56.15) 136.9,56.15 v1(136.89,56.16) ; v1(98.88,83.38) 99.35,82.9 99.35,72.45 103.05,68.75 106.06,68.75 v1(106.21,68.61) 106.21,68.6 115.35,68.6 117.22,70.47 119.88,70.47 v1(119.95,70.4)
A1: length 105.5
  Top w0.2: 120.82,49.17 118.61,51.39 118.61,54.9 119.5,55.79 119.5,69.93 119.35,70.07 119.35,70.7 v1(119.85,71.2) ; v1(139.9,58.65) 139.9,58.32 132.14,50.55 125.27,50.55 123.89,49.17 U10.11 ; v1(142.65,58.7) 142.72,58.77 149.82,58.77 ; 109.32,86.98 106.04,86.98 102.2,83.15 100.45,83.15 v1(100.03,82.72) 94.36,82.72
  Bottom w0.2: v1(100.03,82.72) 99.75,82.45 99.75,72.62 103.02,69.35 v1(105.3,69.35) 105.44,69.21 106.46,69.21 106.66,69 115.18,69 117.05,70.87 119.52,70.87 v1(119.85,71.2) ; v1(139.9,58.65) 142.6,58.65 v1(142.65,58.7)
A2: length 107.4
  Top w0.2: 109.32,86.18 105.8,86.18 102.17,82.55 v1(100.95,82.55) 100.47,82.08 94.36,82.08 ; 120.84,47.91 118.21,50.54 118.21,55.07 119.1,55.95 119.1,69.76 118.95,69.91 118.95,71.46 v1(119.18,71.69) ; 149.82,61.31 143.46,61.31 132.3,50.15 125.45,50.15 123.21,47.91 U10.10
  Bottom w0.2: v1(119.18,71.69) 118.75,71.27 116.89,71.27 115.02,69.4 106.83,69.4 106.62,69.61 106.27,69.61 v1(106.06,69.82) 105.93,69.95 102.98,69.95 100.15,72.78 100.15,81.75 v1(100.95,82.55)
A3: length 115.6
  Top w0.2: v1(115.4,85.4) 117.55,83.25 v1(118.55,83.25) ; J15.17 149.82,63.85 ; 119.8,72.75 125.35,72.75 126.7,71.4 143.28,71.4 v1(143.47,71.6) ; 119.8,72.75 v1(119.8,77.6) ; 119.8,72.75 119.25,72.75 v1(118.4,71.9) 118.2,71.7 118.2,70.46 118.55,70.12 118.55,69.74 118.7,69.59 118.7,56.12 117.81,55.23 117.81,49.69 120.87,46.64 ; 94.36,81.42 101.61,81.42 105.58,85.4 U7.30 v1(112.3,85.4)
  Bottom w0.2: v1(112.3,85.4) 112.5,85.6 115.2,85.6 v1(115.4,85.4) ; v1(106.87,70.15) 107.22,69.8 114.85,69.8 116.72,71.67 118.17,71.67 v1(118.4,71.9) ; 147.3,63.85 143.47,67.67 v1(143.47,71.6) ; v1(118.55,83.25) 119.8,82 v1(119.8,77.6)
A4: length 105.3
  Top w0.2: v1(115.8,83.1) 115.25,83.65 114.45,83.65 114.1,83.3 112.47,83.3 111.57,84.2 111.2,84.2 110.75,84.2 110.35,84.6 U7.31 105.35,84.6 99.03,78.28 94.36,78.28 ; v1(144.93,71.2) 144.73,71 126.54,71 125.18,72.35 121.65,72.35 120.75,71.45 v1(120.75,70.8) 120.75,70 121,69.75 ; 120.84,45.36 117.41,48.79 117.41,55.4 118.3,56.28 118.3,69.43 117.95,69.78 v1(117.95,69.87) 117.81,70.01 117.81,72.84 117.8,72.85 117.8,75.7 v1(115.2,78.3) ; J15.15 149.82,66.39
  Bottom w0.2: v1(115.8,83.1) 115.8,82.75 114.6,81.55 114.6,78.9 v1(115.2,78.3) ; 147.3,66.39 144.93,68.77 v1(144.93,71.2) ; v1(117.95,69.87) 118.02,69.8 120.2,69.8 120.75,70.35 v1(120.75,70.8)
A5: length 102.8
  Top w0.2: 94.36,77.62 95.53,77.62 95.78,77.88 99.19,77.88 105.12,83.8 U7.32 111.4,83.8 112.3,82.9 114.65,82.9 v1(114.8,83.05) ; 149.82,68.93 J15.13 ; 120.85,44.09 117.01,47.94 117.01,55.56 117.9,56.45 117.9,69.05 117.35,69.59 v1(117.2,69.59) 117.2,70.24 117.41,70.45 117.41,71.95 117.4,71.95 117.4,75.54 115.49,77.45 115.1,77.45 v1(114.2,78.35) ; v1(121.6,70.55) 121.6,71.45 122.1,71.95 125.02,71.95 126.37,70.6 145.58,70.6 v1(145.78,70.8)
  Bottom w0.2: v1(121.6,70.55) 121.6,70.27 120.73,69.4 119.66,69.4 119.5,69.25 117.72,69.25 117.38,69.59 v1(117.2,69.59) ; v1(114.8,83.05) 114.2,82.45 v1(114.2,78.35) ; 147.3,68.93 145.78,70.45 v1(145.78,70.8)
A6: length 104
  Top w0.2: v1(122.22,71.23) 122.55,71.55 124.85,71.55 126.2,70.2 151.09,70.2 J15.12 ; 94.36,76.97 101.11,76.97 101.44,77.3 102.07,77.3 105.42,80.65 109.1,80.65 109.79,81.34 U7.34 v1(111,82.55) ; 120.82,42.83 116.61,47.04 116.61,55.73 117.49,56.6 117.49,68.61 v1(117.3,68.8) 116.95,68.8 116.6,69.15 116.6,70.34 117,70.74 117,75.37 115.32,77.05 114.65,77.05 113.5,78.2 111.65,78.2 v1(111,78.85)
  Bottom w0.2: v1(117.3,68.8) 119.62,68.8 119.82,69 120.9,69 121.54,69.65 121.54,69.65 122.2,70.3 122.2,71.2 v1(122.22,71.23) ; v1(111,82.55) v1(111,78.85)
A7: length 105.2
  Top w0.2: J15.14 151.09,67.65 146.72,67.65 144.57,69.8 126.04,69.8 124.69,71.15 123.6,71.15 v1(123.4,70.95) ; 120.84,41.56 116.2,46.2 116.2,55.88 117.09,56.77 117.09,67.9 v1(116.85,68.14) 116.7,68.29 116.7,68.48 116.2,68.98 116.2,70.51 116.6,70.91 116.6,75.21 115.16,76.65 114.49,76.65 113.34,77.8 111.1,77.8 v1(110.1,78.8) ; 94.36,76.33 101.03,76.33 101.6,76.9 102.23,76.9 105.58,80.25 109.75,80.25 v1(109.95,80.45) 110.15,80.25 111.62,80.25 111.8,80.42 U7.35
  Bottom w0.2: v1(110.1,78.8) 109.95,78.95 v1(109.95,80.45) ; v1(116.85,68.14) 116.89,68.1 119.48,68.1 119.99,68.6 121.06,68.6 121.71,69.25 121.71,69.25 122.98,70.52 122.98,70.53 v1(123.4,70.95)
A8: length 109.4
  Top w0.2: 109.18,42.83 113,46.65 113,57.8 113.2,58 113.2,58.4 113.8,59 113.8,60.2 v1(113.6,60.4) 113.4,60.6 113.4,65.96 113,66.36 113,72.9 v1(111.75,74.15) ; v1(127.08,61.37) 127.36,61.37 128.93,62.95 144.47,62.95 146.68,65.15 151.12,65.15 J15.16 ; U7.36 112.6,80.45 112,79.85 105.75,79.85 102.2,76.3 v1(101.85,76.3) 101.22,75.67 94.36,75.67
  Bottom w0.2: v1(127.08,61.37) 126.63,60.93 123.17,60.93 v1(122.97,61.13) 121.85,62.25 117.7,62.25 116.15,60.7 114.81,60.7 114.51,60.4 v1(113.6,60.4) ; v1(101.85,76.3) 101.85,75.9 103.95,73.8 105.43,73.8 105.88,73.35 109.1,73.35 109.3,73.15 109.8,73.15 110.8,74.15 v1(111.75,74.15)
A9: length 107.5
  Top w0.2: v1(127.1,60.55) 129.1,62.55 151.06,62.55 J15.18 ; 94.36,75.03 101.53,75.03 v1(101.55,75.05) 101.55,75.08 105.92,79.45 112.65,79.45 113.4,80.2 U7.37 ; v1(111.2,73.55) 111.78,73.55 112.6,72.74 112.6,66.19 113,65.79 113,59.8 v1(113,59.8) 112.8,59.6 112.8,58.17 112.6,57.97 112.6,47.5 109.19,44.09
  Bottom w0.2: v1(101.55,75.05) 102.13,75.05 103.78,73.4 105.27,73.4 105.71,72.95 108.93,72.95 109.13,72.75 110.4,72.75 v1(111.2,73.55) ; v1(113,59.8) 114.48,59.8 114.98,60.3 116.32,60.3 117.87,61.85 121.4,61.85 v1(121.75,61.5) 122.72,60.53 127.08,60.53 v1(127.1,60.55)
A10: length 104
  Top w0.2: U7.38 114.2,80.25 112.8,78.85 v1(112.15,78.85) ; v1(109.55,74.75) 110.2,74.1 110.2,72.2 111.4,71 111.4,65.69 111.8,65.29 111.8,61.95 111.4,61.55 111.4,61.12 111.2,60.92 111.2,59 v1(111.4,58.8) 111.4,58.8 111.4,50.15 v1(111.12,49.88) 109.16,47.91 ; v1(123.9,51.35) 131.8,51.35 136.25,55.8 136.25,56.36 136.73,56.84 137.24,56.84 140.45,60.05 v1(140.45,60.05) ; v1(105.25,74.95) 104.68,74.38 94.36,74.38 ; v1(144.15,60.05) 151.1,60.05 J15.20
  Bottom w0.2: v1(108.35,58.8) 108.75,59.2 111,59.2 v1(111.4,58.8) ; v1(105.25,74.95) 105.95,74.95 105.95,74.96 109.34,74.96 v1(109.55,74.75) 109.74,74.56 110.5,74.56 112.2,76.26 112.2,78.8 v1(112.15,78.85) ; v1(123.9,51.35) 112.6,51.35 v1(111.12,49.88) ; v1(144.15,60.05) v1(140.45,60.05)
A11: length 102.6
  Top w0.2: J15.22 151.09,57.5 v1(142.1,57.5) ; v1(133.75,57.5) 128.25,57.5 v1(126.4,59.35) ; v1(111.85,72.35) 111.81,72.31 111.81,72.29 112.2,71.9 112.2,66.03 112.6,65.63 112.6,61.62 112.2,61.22 v1(112.2,60.38) 112.4,60.18 112.4,58.33 112.2,58.13 112.2,48.35 109.22,45.36 ; U7.40 115.8,80.01 v1(115.8,80) ; v1(102.62,73.72) 102.61,73.72 94.36,73.72
  Bottom w0.2: v1(126.4,59.35) 125.62,60.13 122.56,60.13 121.78,60.9 120.85,60.9 v1(120.5,61.25) 120.29,61.45 118.03,61.45 116.48,59.9 115.14,59.9 114.64,59.4 113.45,59.4 113.25,59.2 112.75,59.2 112.4,59.55 112.4,59.85 112.2,60.05 v1(112.2,60.38) ; v1(142.1,57.5) v1(133.75,57.5) ; v1(102.62,73.72) 102.9,73.72 103.62,73 105.1,73 105.55,72.55 108.77,72.55 109.27,72.05 111.55,72.05 v1(111.85,72.35) 111.85,72.86 114.28,75.28 114.28,75.78 116.6,78.1 116.6,79.05 115.8,79.85 v1(115.8,80)
